# Altium PCB GN-1876-HI3519AV100_V1.PCBDOC (part 1 of 6) (continued)
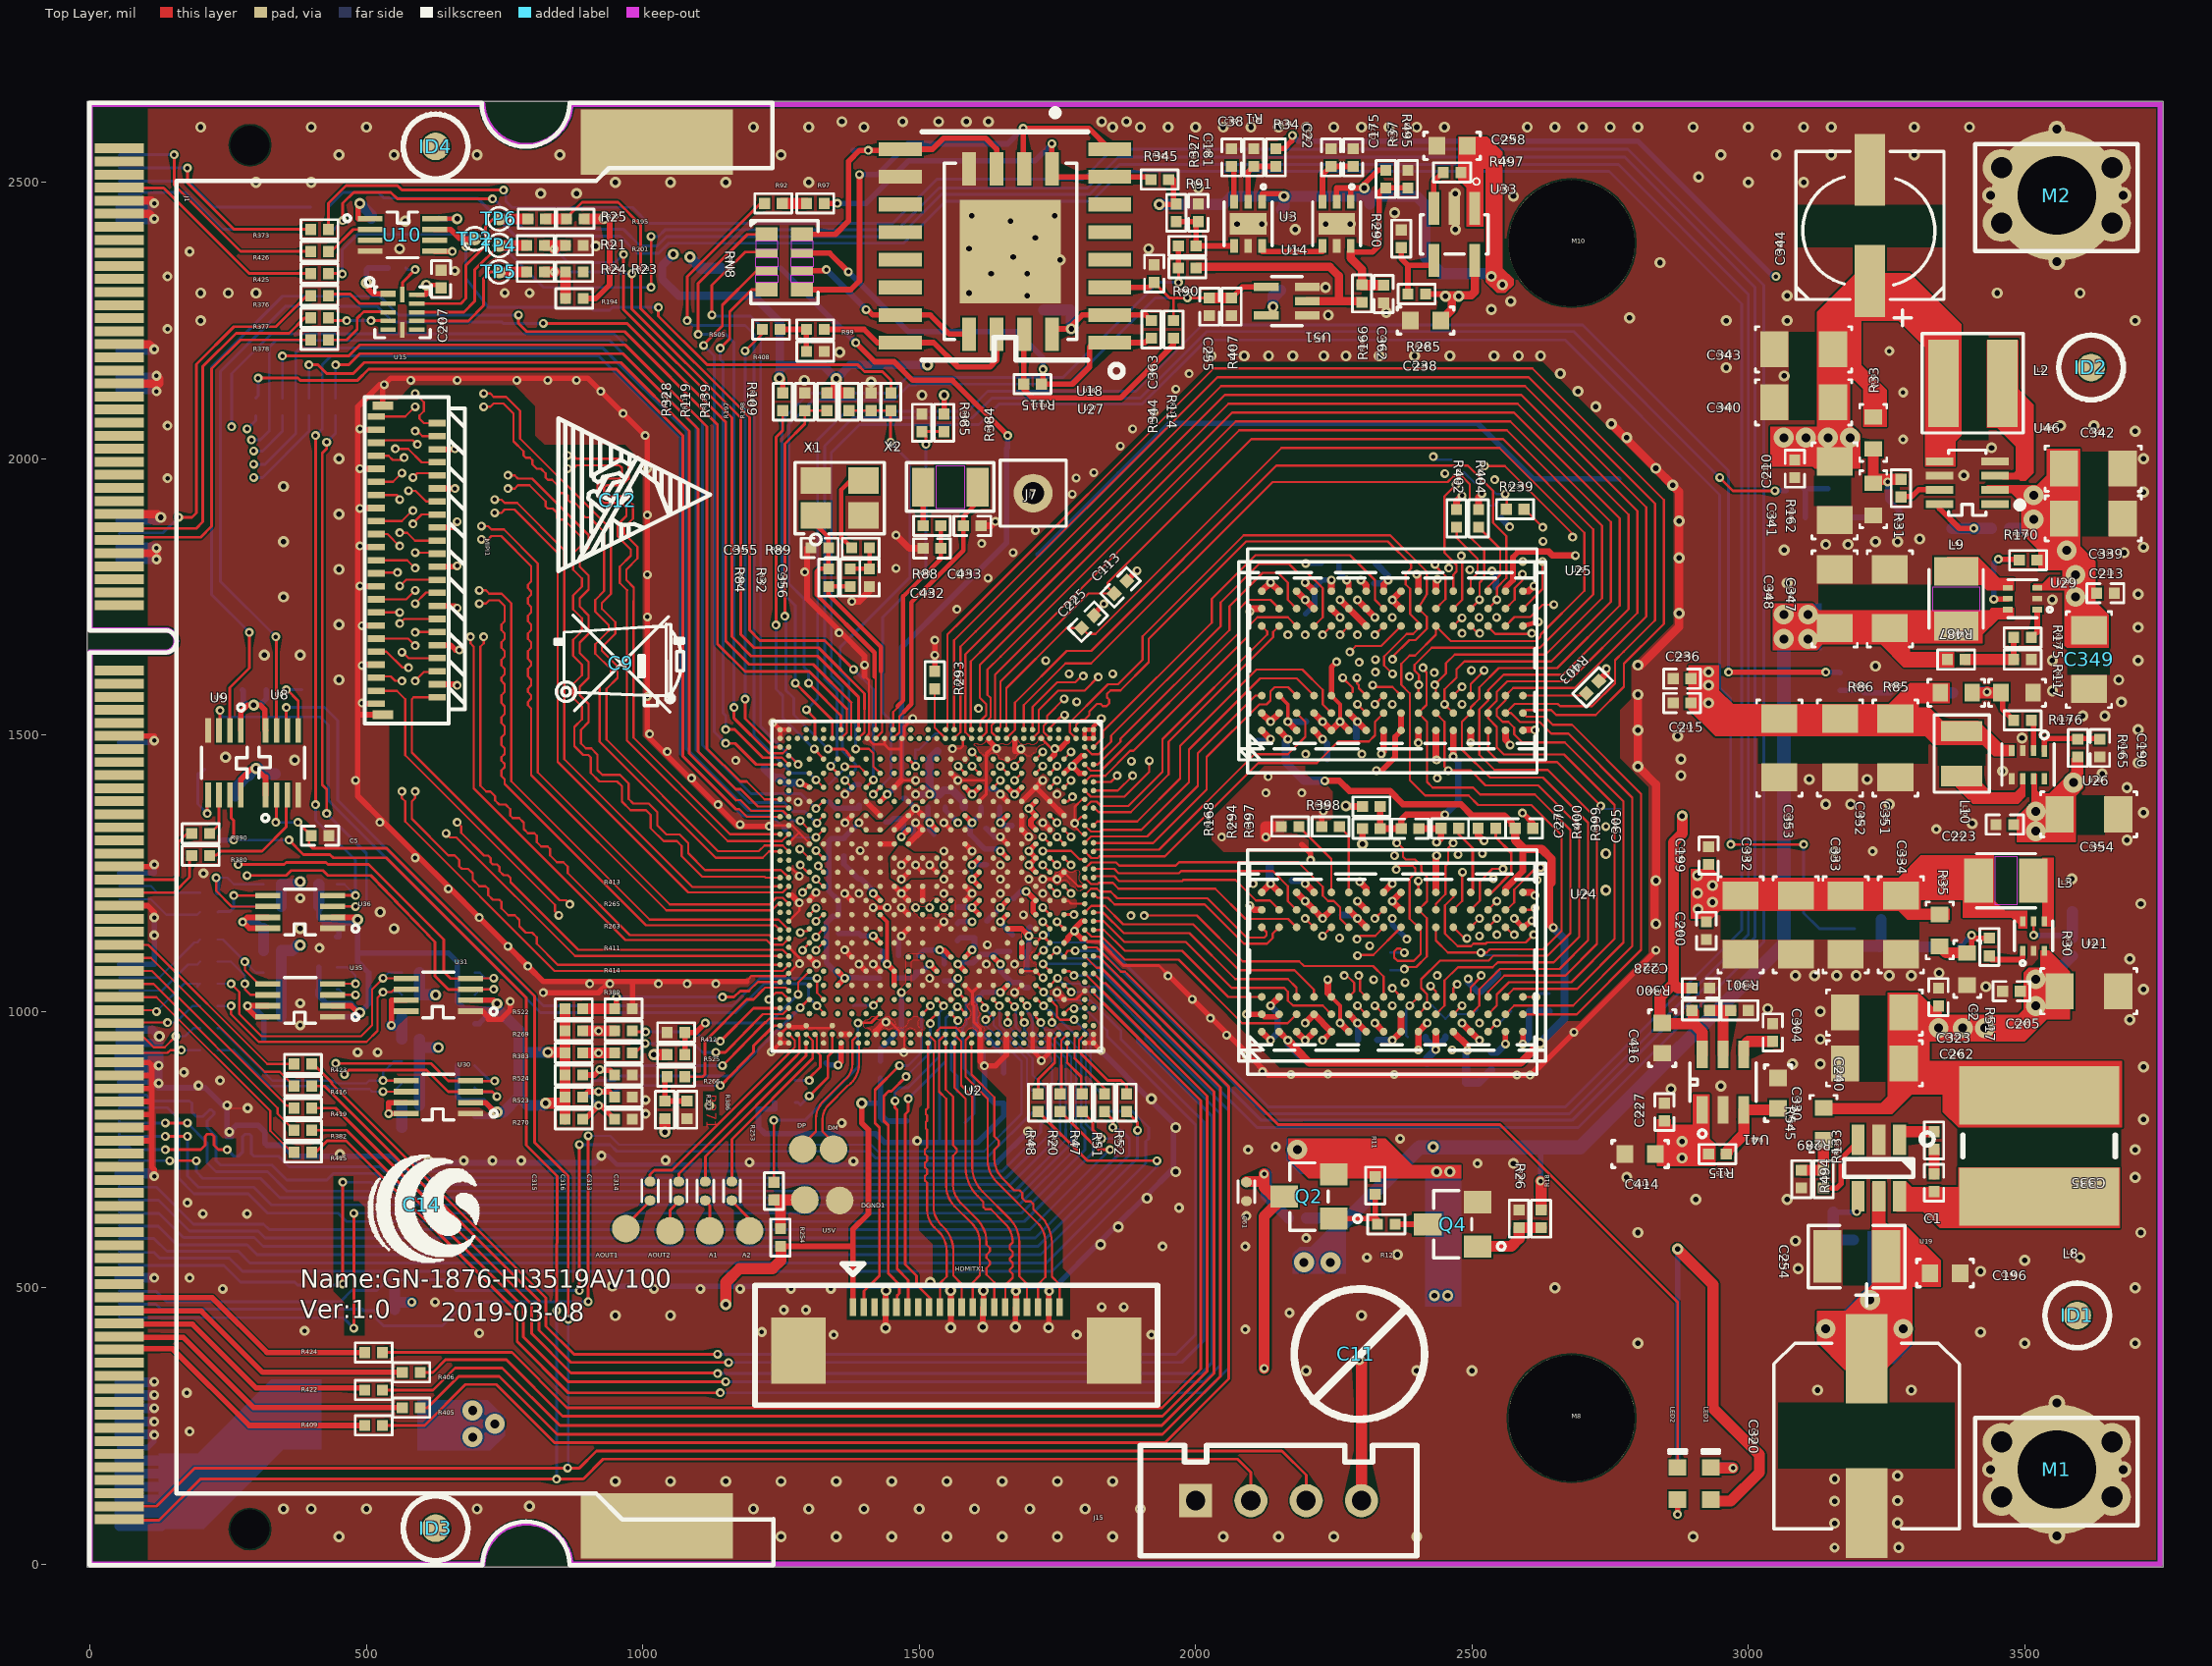
[diagram p0: Top Layer view]
## Components (designator, comment, footprint, x,y, rotation, side; value= is the part's Value field where it differs from the comment) (continued)
R416 "SR0402" SR0402 385,865.16 r180 top
R417 "SR0402" SR0402 215,970.16 r180 bottom
R418 "SR0402" SR0402 3192,1134.16 r270 bottom
R419 "SR0402" SR0402 385,825.16 r180 top
R420 "SR0402" SR0402 3084,1946.16 r0 bottom
R421 "SR0402" SR0402 3166,1596.76 r270 bottom
R422 "SR0402" SR0402 513,315.16 r180 top
R423 "SR0402" SR0402 385,905.16 r180 top
R424 "SR0402" SR0402 513,383.16 r180 top
R425 "SR0402" SR0402 415,2335.16 r180 top
R426 "SR0402" SR0402 415,2375.16 r180 top
R487 "SR0402" SR0402 3376,1636.76 r0 top
R488 "SR0402" SR0402 580,910.16 r180 bottom
R489 "SR0402" SR0402 580,870.16 r180 bottom
R490 "SR0402" SR0402 680,902.16 r0 bottom
R491 "SR0402" SR0402 680,862.16 r0 bottom
R492 "SR0402" SR0402 580,1070.16 r180 bottom
R493 "SR0402" SR0402 580,1030.16 r180 bottom
R494 "SR0402" SR0402 3096,696.76 r90 top
R495 "SR0402" SR0402 2384,2506.16 r90 top
R496 "SR0402" SR0402 3386,1576.76 r0 bottom
R497 "SR0402" SR0402 2464,2518.16 r180 top
R498 "SR0402" SR0402 680,1070.16 r0 bottom
R499 "SR0402" SR0402 680,1030.16 r0 bottom
R500 "SR0402" SR0402 330,1070.16 r180 bottom
R501 "SR0402" SR0402 330,1030.16 r180 bottom
R502 "SR0402" SR0402 430,1080.16 r0 bottom
R503 "SR0402" SR0402 430,1040.16 r0 bottom
R504 "SR0402" SR0402 330,1190.16 r180 bottom
R505 "SR0402" SR0402 1232,2234.16 r0 top
R506 "SR0402" SR0402 330,1230.16 r180 bottom
R507 "SR0402" SR0402 430,1230.16 r0 bottom
R508 "SR0402" SR0402 430,1190.16 r0 bottom
R517 "SR0603" SR0603 3396,1076.76 r270 top
R522 "SR0402" SR0402 875,1005.16 r0 top
R523 "SR0402" SR0402 875,845.16 r0 top
R524 "SR0402" SR0402 875,885.16 r0 top
R525 "SR0402" SR0402 1060,922.16 r0 top
R545 "SR0603" SR0603 3136,796.76 r90 top
R547 "SR0402" SR0402 3136,586.76 r180 bottom
RN8 "SRN8-1608" SRN8-1608 1256,2356.16 r270 top
TP2 "TP24-SMD" TP24-SMD 696,2398.16 r0 top
TP4 "TP24-SMD" TP24-SMD 740,2386.16 r0 top
TP5 "TP24-SMD" TP24-SMD 740,2338.16 r0 top
TP6 "TP24-SMD" TP24-SMD 740,2434.16 r0 top
U2 "HBGA567-16-3737" HBGA567-16-3737 1531.69,1226.5 r180 top
U3 "WDFN6-0R65-2X2-H1R6X1R00" WDFN6-0R65-2X2-H1R6X1R00 2095,2425.16 r180 top
U5V "PAD" PAD 1293,659.16 r0 top
U8 "SOP8-20-91" SOP8-20-91 347,1450.16 r0 top
U9 "SOP8-20-91" SOP8-20-91 243,1450.16 r180 top
U10 "SOP8-20-91" SOP8-20-91 565,2405.16 r270 top
U14 "WDFN6-0R65-2X2-H1R6X1R00" WDFN6-0R65-2X2-H1R6X1R00 2255,2425.16 r180 top
U15 "MLF12A-040-0202L" MLF12A-040-0202L 565,2265.16 r270 top
U18 "WSON8-MX25L12835ZN" WSON8-MX25L12835ZN 1665,2375.16 r180 top
U19 "SOT23-6" SOT23-6 3236,716.76 r180 top
U21 "HSOT-563" HSOT-563 3516,1136.76 r0 top
U24 "BGA96-32-1609N-BVT" BGA96-32-1609N-BVT 2355.88,1089.52 r0 top
U25 "BGA96-32-1609N-BVT" BGA96-32-1609N-BVT 2355.88,1634.52 r0 top
U26 "MLF8M-050-0202L" MLF8M-050-0202L 3506,1446.76 r180 top
U27 "SOP16-50-300A" SOP16-50-300A 1655,2385.16 r90 top
U29 "HSOT-563" HSOT-563 3496,1746.76 r90 top
U30 "SOP8-20-91" SOP8-20-91 630,845.16 r90 top
U31 "SOP8-20-91" SOP8-20-91 630,1030.16 r90 top
U33 "SOT23-5-STB" SOT23-5-STB 2468,2406.16 r180 top
U35 "SOP8-20-91" SOP8-20-91 380,1020.16 r90 top
U36 "SOP8-20-91" SOP8-20-91 380,1180.16 r90 top
U41 "SOT23-6B" SOT23-6B 2954,872.16 r0 top
U46 "TSOT23-8" TSOT23-8 3396,1956.76 r90 top
U51 "HSOT-SC70-DCK" HSOT-SC70-DCK 2165,2285.16 r90 top
X1 "HSX4-0302" HSX4-0302 1356,1928.9 r0 top
X2 "HSX2-0302" HSX2-0302 1556,1948.9 r180 top

## Footprints (in the part's own frame and the unit in brackets; to place one, negate y for a bottom-side part, rotate by r counter-clockwise, add the part's x,y. Pads: shape width x height; smd on the part's side, far side on the other; paste and mask are expansions set on the pad)
4PIN-254 [mil]
  rect 60x60 hole 35: 1(0,0)
  round 60 hole 35: 2(100,0) 3(200,0) 4(300,0)
  silkscreen extent -100,-100 400,100
1812 [mil]
  rect 60x125 smd: 1(-92.5,0) 2(92.5,0)
  silkscreen extent -143,-82 143,82
BGA96-32-1609N-BVT [mil]
  round 14 smd mask+3: A1(-236.22,-125.98) A2(-236.22,-94.49) A3(-236.22,-62.99) A7(-236.22,62.99) A8(-236.22,94.49) A9(-236.22,125.98) B1(-204.72,-125.98) B2(-204.72,-94.49) B3(-204.72,-62.99) B7(-204.72,62.99) B8(-204.72,94.49) B9(-204.72,125.98) C1(-173.23,-125.98) C2(-173.23,-94.49) C3(-173.23,-62.99) C7(-173.23,62.99) C8(-173.23,94.49) C9(-173.23,125.98) D1(-141.73,-125.98) D2(-141.73,-94.49) D3(-141.73,-62.99) D7(-141.73,62.99) D8(-141.73,94.49) D9(-141.73,125.98) E1(-110.24,-125.98) E2(-110.24,-94.49) E3(-110.24,-62.99) E7(-110.24,62.99) E8(-110.24,94.49) E9(-110.24,125.98) F1(-78.74,-125.98) F2(-78.74,-94.49) F3(-78.74,-62.99) F7(-78.74,62.99) F8(-78.74,94.49) F9(-78.74,125.98) G1(-47.24,-125.98) G2(-47.24,-94.49) G3(-47.24,-62.99) G7(-47.24,62.99) G8(-47.24,94.49) G9(-47.24,125.98) H1(-15.75,-125.98) H2(-15.75,-94.49) H3(-15.75,-62.99) H7(-15.75,62.99) H8(-15.75,94.49) H9(-15.75,125.98) J1(15.75,-125.98) J2(15.75,-94.49) J3(15.75,-62.99) J7(15.75,62.99) J8(15.75,94.49) J9(15.75,125.98) K1(47.24,-125.98) K2(47.24,-94.49) K3(47.24,-62.99) K7(47.24,62.99) K8(47.24,94.49) K9(47.24,125.98) L1(78.74,-125.98) L2(78.74,-94.49) L3(78.74,-62.99) L7(78.74,62.99) L8(78.74,94.49) L9(78.74,125.98) M1(110.24,-125.98) M2(110.24,-94.49) M3(110.24,-62.99) M7(110.24,62.99) M8(110.24,94.49) M9(110.24,125.98) N1(141.73,-125.98) N2(141.73,-94.49) N3(141.73,-62.99) N7(141.73,62.99) N8(141.73,94.49) N9(141.73,125.98) P1(173.23,-125.98) P2(173.23,-94.49) P3(173.23,-62.99) P7(173.23,62.99) P8(173.23,94.49) P9(173.23,125.98) R1(204.72,-125.98) R2(204.72,-94.49) R3(204.72,-62.99) R7(204.72,62.99) R8(204.72,94.49) R9(204.72,125.98) T1(236.22,-125.98) T2(236.22,-94.49) T3(236.22,-62.99) T7(236.22,62.99) T8(236.22,94.49) T9(236.22,125.98)
  silkscreen extent -278,-203 278,203
DDR3SODI_MBH2S6 [mm]
  rect 0.45x2.25 smd: 1(0,0) 3(0.6,0) 5(1.2,0) 7(1.8,0) 9(2.4,0) 11(3,0) 13(3.6,0) 15(4.2,0) 17(4.8,0) 19(5.4,0) 21(6,0) 23(6.6,0) 25(7.2,0) 27(7.8,0) 29(8.4,0) 31(9,0) 33(9.6,0) 35(10.2,0) 37(10.8,0) 39(11.4,0) 41(12,0) 43(12.6,0) 45(13.2,0) 47(13.8,0) 49(14.4,0) 51(15,0) 53(15.6,0) 55(16.2,0) 57(16.8,0) 59(17.4,0) 61(18,0) 63(18.6,0) 65(19.2,0) 67(19.8,0) 69(20.4,0) 71(21,0) 73(24,0) 75(24.6,0) 77(25.2,0) 79(25.8,0) 81(26.4,0) 83(27,0) 85(27.6,0) 87(28.2,0) 89(28.8,0) 91(29.4,0) 93(30,0) 95(30.6,0) 97(31.2,0) 99(31.8,0) 101(32.4,0) 103(33,0) 105(33.6,0) 107(34.2,0) 109(34.8,0) 111(35.4,0) 113(36,0) 115(36.6,0) 117(37.2,0) 119(37.8,0) 121(38.4,0) 123(39,0) 125(39.6,0) 127(40.2,0) 129(40.8,0) 131(41.4,0) 133(42,0) 135(42.6,0) 137(43.2,0) 139(43.8,0) 141(44.4,0) 143(45,0) 145(45.6,0) 147(46.2,0) 149(46.8,0) 151(47.4,0) 153(48,0) 155(48.6,0) 157(49.2,0) 159(49.8,0) 161(50.4,0) 163(51,0) 165(51.6,0) 167(52.2,0) 169(52.8,0) 171(53.4,0) 173(54,0) 175(54.6,0) 177(55.2,0) 179(55.8,0) 181(56.4,0) 183(57,0) 185(57.6,0) 187(58.2,0) 189(58.8,0) 191(59.4,0) 193(60,0) 195(60.6,0) 197(61.2,0) 199(61.8,0) 201(62.4,0) 203(63,0)
  rect 0.45x2.25 smd far side: 2(0.3,0) 4(0.9,0) 6(1.5,0) 8(2.1,0) 10(2.7,0) 12(3.3,0) 14(3.9,0) 16(4.5,0) 18(5.1,0) 20(5.7,0) 22(6.3,0) 24(6.9,0) 26(7.5,0) 28(8.1,0) 30(8.7,0) 32(9.3,0) 34(9.9,0) 36(10.5,0) 38(11.1,0) 40(11.7,0) 42(12.3,0) 44(12.9,0) 46(13.5,0) 48(14.1,0) 50(14.7,0) 52(15.3,0) 54(15.9,0) 56(16.5,0) 58(17.1,0) 60(17.7,0) 62(18.3,0) 64(18.9,0) 66(19.5,0) 68(20.1,0) 70(20.7,0) 72(21.3,0) 74(24.3,0) 76(24.9,0) 78(25.5,0) 80(26.1,0) 82(26.7,0) 84(27.3,0) 86(27.9,0) 88(28.5,0) 90(29.1,0) 92(29.7,0) 94(30.3,0) 96(30.9,0) 98(31.5,0) 100(32.1,0) 102(32.7,0) 104(33.3,0) 106(33.9,0) 108(34.5,0) 110(35.1,0) 112(35.7,0) 114(36.3,0) 116(36.9,0) 118(37.5,0) 120(38.1,0) 122(38.7,0) 124(39.3,0) 126(39.9,0) 128(40.5,0) 130(41.1,0) 132(41.7,0) 134(42.3,0) 136(42.9,0) 138(43.5,0) 140(44.1,0) 142(44.7,0) 144(45.3,0) 146(45.9,0) 148(46.5,0) 150(47.1,0) 152(47.7,0) 154(48.3,0) 156(48.9,0) 158(49.5,0) 160(50.1,0) 162(50.7,0) 164(51.3,0) 166(51.9,0) 168(52.5,0) 170(53.1,0) 172(53.7,0) 174(54.3,0) 176(54.9,0) 178(55.5,0) 180(56.1,0) 182(56.7,0) 184(57.3,0) 186(57.9,0) 188(58.5,0) 190(59.1,0) 192(59.7,0) 194(60.3,0) 196(60.9,0) 198(61.5,0) 200(62.1,0) 202(62.7,0) 204(63.3,0)
  round 0 hole 1.8 unplated: 205(-0.15,6) 206(63.45,6)
  rect 3x7 smd: 207(-0.3,24.7) 208(63.3,24.7)
  silkscreen extent -2.1,-1.37 65.1,30.05
ESD_MINI [mil]
  silkscreen extent -148,-108 128,167
FPC20_05MM [mm]
  rect 0.3x0.8 smd: 1(0,0) 2(0.5,0) 3(1,0) 4(1.5,0) 5(2,0) 6(2.5,0) 7(3,0) 8(3.5,0) 9(4,0) 10(4.5,0) 11(5,0) 12(5.5,0) 13(6,0) 14(6.5,0) 15(7,0) 16(7.5,0) 17(8,0) 18(8.5,0) 19(9,0) 20(9.5,0)
  rect 2.5x3.05 smd: 21(-2.5,-2) 22(12,-2)
  silkscreen extent -4.5,-4.5 14,2
FPC803A045 [mm]
  rect 0.3x0.8 smd: 1(-6.6,1.4) 2(-6.3,-1.4) 3(-6,1.4) 4(-5.7,-1.4) 5(-5.4,1.4) 6(-5.1,-1.4) 7(-4.8,1.4) 8(-4.5,-1.4) 9(-4.2,1.4) 10(-3.9,-1.4) 11(-3.6,1.4) 12(-3.3,-1.4) 13(-3,1.4) 14(-2.7,-1.4) 15(-2.4,1.4) 16(-2.1,-1.4) 17(-1.8,1.4) 18(-1.5,-1.4) 19(-1.2,1.4) 20(-0.9,-1.4) 21(-0.6,1.4) 22(-0.3,-1.4) 23(0,1.4) 24(0.3,-1.4) 25(0.6,1.4) 26(0.9,-1.4) 27(1.2,1.4) 28(1.5,-1.4) 29(1.8,1.4) 30(2.1,-1.4) 31(2.4,1.4) 32(2.7,-1.4) 33(3,1.4) 34(3.3,-1.4) 35(3.6,1.4) 36(3.9,-1.4) 37(4.2,1.4) 38(4.5,-1.4) 39(4.8,1.4) 40(5.1,-1.4) 41(5.4,1.4) 42(5.7,-1.4) 43(6,1.4) 44(6.3,-1.4) 45(6.6,1.4)
  rect 0.4x0.95 smd: 46(-7.1,1.1) 47(7.1,1.1)
  silkscreen extent -7.5,-2.67 7.5,1.93
GOSPELL_M [mil]
  silkscreen extent -97,-103 103,90
HBGA567-16-3737 [mil]
  round 10 smd paste-0.25 mask+1.5: 1A1(-230.31,-230.31) 1A2(-230.31,-204.72) 1A3(-230.31,-179.13) 1A4(-230.31,-153.54) 1A5(-230.31,-127.95) 1A6(-230.31,-102.36) 1A7(-230.31,-76.77) 1A8(-230.31,-51.18) 1A9(-230.31,-25.59) 1A10(-230.31,0) 1A11(-230.31,25.59) 1A12(-230.31,51.18) 1A13(-230.31,76.77) 1A14(-230.31,102.36) 1A15(-230.31,127.95) 1A16(-230.31,153.54) 1A17(-230.31,179.13) 1A18(-230.31,204.72) 1A19(-230.31,230.31) 1B1(-204.72,-230.31) 1B2(-204.72,-204.72) 1B3(-204.72,-179.13) 1B4(-204.72,-153.54) 1B5(-204.72,-127.95) 1B6(-204.72,-102.36) 1B7(-204.72,-76.77) 1B8(-204.72,-51.18) 1B9(-204.72,-25.59) 1B10(-204.72,0) 1B11(-204.72,25.59) 1B12(-204.72,51.18) 1B13(-204.72,76.77) 1B14(-204.72,102.36) 1B15(-204.72,127.95) 1B16(-204.72,153.54) 1B17(-204.72,179.13) 1B18(-204.72,204.72) 1B19(-204.72,230.31) 1C1(-179.13,-230.31) 1C2(-179.13,-204.72) 1C3(-179.13,-179.13) 1C4(-179.13,-153.54) 1C5(-179.13,-127.95) 1C6(-179.13,-102.36) 1C7(-179.13,-76.77) 1C8(-179.13,-51.18) 1C9(-179.13,-25.59) 1C10(-179.13,0) 1C11(-179.13,25.59) 1C12(-179.13,51.18) 1C13(-179.13,76.77) 1C14(-179.13,102.36) 1C15(-179.13,127.95) 1C16(-179.13,153.54) 1C17(-179.13,179.13) 1C18(-179.13,204.72) 1C19(-179.13,230.31) 1D1(-153.54,-230.31) 1D2(-153.54,-204.72) 1D3(-153.54,-179.13) 1D4(-153.54,-153.54) 1D5(-153.54,-127.95) 1D6(-153.54,-102.36) 1D7(-153.54,-76.77) 1D8(-153.54,-51.18) 1D9(-153.54,-25.59) 1D11(-153.54,25.59) 1D14(-153.54,102.36) 1D15(-153.54,127.95) 1D16(-153.54,153.54) 1D17(-153.54,179.13) 1D18(-153.54,204.72) 1D19(-153.54,230.31) 1E1(-127.95,-230.31) 1E2(-127.95,-204.72) 1E3(-127.95,-179.13) 1E4(-127.95,-153.54) 1E5(-127.95,-127.95) 1E6(-127.95,-102.36) 1E7(-127.95,-76.77) 1E8(-127.95,-51.18) 1E9(-127.95,-25.59) 1E10(-127.95,0) 1E11(-127.95,25.59) 1E12(-127.95,51.18) 1E13(-127.95,76.77) 1E14(-127.95,102.36) 1E15(-127.95,127.95) 1E16(-127.95,153.54) 1E17(-127.95,179.13) 1E18(-127.95,204.72) 1E19(-127.95,230.31) 1F1(-102.36,-230.31) 1F2(-102.36,-204.72) 1F3(-102.36,-179.13) 1F4(-102.36,-153.54) 1F5(-102.36,-127.95) 1F6(-102.36,-102.36) 1F8(-102.36,-51.18) 1F9(-102.36,-25.59) 1F11(-102.36,25.59) 1F12(-102.36,51.18) 1F13(-102.36,76.77) 1F15(-102.36,127.95) 1F16(-102.36,153.54) 1F17(-102.36,179.13) 1F18(-102.36,204.72) 1F19(-102.36,230.31) 1G1(-76.77,-230.31) 1G2(-76.77,-204.72) 1G3(-76.77,-179.13) 1G4(-76.77,-153.54) 1G5(-76.77,-127.95) 1G8(-76.77,-51.18) 1G9(-76.77,-25.59) 1G10(-76.77,0) 1G11(-76.77,25.59) 1G12(-76.77,51.18) 1G15(-76.77,127.95) 1G16(-76.77,153.54) 1G17(-76.77,179.13) 1G18(-76.77,204.72) 1H1(-51.18,-230.31) 1H2(-51.18,-204.72) 1H3(-51.18,-179.13) 1H4(-51.18,-153.54) 1H5(-51.18,-127.95) 1H6(-51.18,-102.36) 1H7(-51.18,-76.77) 1H8(-51.18,-51.18) 1H9(-51.18,-25.59) 1H10(-51.18,0) 1H11(-51.18,25.59) 1H12(-51.18,51.18) 1H13(-51.18,76.77) 1H15(-51.18,127.95) 1H16(-51.18,153.54) 1H17(-51.18,179.13) 1H18(-51.18,204.72) 1H19(-51.18,230.31) 1J1(-25.59,-230.31) 1J2(-25.59,-204.72) 1J3(-25.59,-179.13) 1J4(-25.59,-153.54) 1J5(-25.59,-127.95) 1J6(-25.59,-102.36) 1J8(-25.59,-51.18) 1J9(-25.59,-25.59) 1J10(-25.59,0) 1J11(-25.59,25.59) 1J12(-25.59,51.18) 1J13(-25.59,76.77) 1J15(-25.59,127.95) 1J16(-25.59,153.54) 1J17(-25.59,179.13) 1J18(-25.59,204.72) 1J19(-25.59,230.31) 1K1(0,-230.31) 1K2(0,-204.72) 1K3(0,-179.13) 1K4(0,-153.54) 1K5(0,-127.95) 1K6(0,-102.36) 1K8(0,-51.18) 1K9(0,-25.59) 1K10(0,0) 1K11(0,25.59) 1K12(0,51.18) 1K13(0,76.77) 1K16(0,153.54) 1K17(0,179.13) 1K18(0,204.72) 1K19(0,230.31) 1L1(25.59,-230.31) 1L2(25.59,-204.72) 1L3(25.59,-179.13) 1L4(25.59,-153.54) 1L5(25.59,-127.95) 1L6(25.59,-102.36) 1L8(25.59,-51.18) 1L9(25.59,-25.59) 1L10(25.59,0) 1L11(25.59,25.59) 1L12(25.59,51.18) 1L13(25.59,76.77) 1L14(25.59,102.36) 1L15(25.59,127.95) 1L16(25.59,153.54) 1L17(25.59,179.13) 1L18(25.59,204.72) 1L19(25.59,230.31) 1M1(51.18,-230.31) 1M2(51.18,-204.72) 1M3(51.18,-179.13) 1M4(51.18,-153.54) 1M5(51.18,-127.95) 1M6(51.18,-102.36) 1M7(51.18,-76.77) 1M8(51.18,-51.18) 1M9(51.18,-25.59) 1M10(51.18,0) 1M11(51.18,25.59) 1M12(51.18,51.18) 1M13(51.18,76.77) 1M14(51.18,102.36) 1M15(51.18,127.95) 1M16(51.18,153.54) 1M17(51.18,179.13) 1M18(51.18,204.72) 1M19(51.18,230.31) 1N1(76.77,-230.31) 1N2(76.77,-204.72) 1N3(76.77,-179.13) 1N4(76.77,-153.54) 1N6(76.77,-102.36) 1N7(76.77,-76.77) 1N8(76.77,-51.18) 1N9(76.77,-25.59) 1N10(76.77,0) 1N11(76.77,25.59) 1N12(76.77,51.18) 1N13(76.77,76.77) 1N14(76.77,102.36) 1N16(76.77,153.54) 1N17(76.77,179.13) 1N18(76.77,204.72) 1N19(76.77,230.31) 1P1(102.36,-230.31) 1P2(102.36,-204.72) 1P3(102.36,-179.13) 1P4(102.36,-153.54) 1P5(102.36,-127.95) 1P6(102.36,-102.36) 1P7(102.36,-76.77) 1P8(102.36,-51.18) 1P9(102.36,-25.59) 1P10(102.36,0) 1P11(102.36,25.59) 1P12(102.36,51.18) 1P13(102.36,76.77) 1P14(102.36,102.36) 1P15(102.36,127.95) 1P16(102.36,153.54) 1P17(102.36,179.13) 1P18(102.36,204.72) 1P19(102.36,230.31) 1R1(127.95,-230.31) 1R2(127.95,-204.72) 1R3(127.95,-179.13) 1R4(127.95,-153.54) 1R5(127.95,-127.95) 1R6(127.95,-102.36) 1R7(127.95,-76.77) 1R8(127.95,-51.18) 1R9(127.95,-25.59) 1R10(127.95,0) 1R11(127.95,25.59) 1R12(127.95,51.18) 1R13(127.95,76.77) 1R14(127.95,102.36) 1R15(127.95,127.95) 1R16(127.95,153.54) 1R17(127.95,179.13) 1R18(127.95,204.72) 1R19(127.95,230.31) 1T1(153.54,-230.31) 1T2(153.54,-204.72) 1T3(153.54,-179.13) 1T4(153.54,-153.54) 1T5(153.54,-127.95) 1T6(153.54,-102.36) 1T7(153.54,-76.77) 1T8(153.54,-51.18) 1T9(153.54,-25.59) 1T10(153.54,0) 1T11(153.54,25.59) 1T12(153.54,51.18) 1T13(153.54,76.77) 1T14(153.54,102.36) 1T15(153.54,127.95) 1T16(153.54,153.54) 1T17(153.54,179.13) 1T18(153.54,204.72) 1T19(153.54,230.31) 1U1(179.13,-230.31) 1U2(179.13,-204.72) 1U3(179.13,-179.13) 1U4(179.13,-153.54) 1U5(179.13,-127.95) 1U6(179.13,-102.36) 1U7(179.13,-76.77) 1U8(179.13,-51.18) 1U9(179.13,-25.59) 1U10(179.13,0) 1U11(179.13,25.59) 1U12(179.13,51.18) 1U13(179.13,76.77) 1U14(179.13,102.36) 1U15(179.13,127.95) 1U16(179.13,153.54) 1U17(179.13,179.13) 1U18(179.13,204.72) 1U19(179.13,230.31) 1V1(204.72,-230.31) 1V2(204.72,-204.72) 1V3(204.72,-179.13) 1V4(204.72,-153.54) 1V5(204.72,-127.95) 1V6(204.72,-102.36) 1V7(204.72,-76.77) 1V8(204.72,-51.18) 1V9(204.72,-25.59) 1V10(204.72,0) 1V11(204.72,25.59) 1V12(204.72,51.18) 1V13(204.72,76.77) 1V14(204.72,102.36) 1V15(204.72,127.95) 1V16(204.72,153.54) 1V17(204.72,179.13) 1V18(204.72,204.72) 1V19(204.72,230.31) 1W1(230.31,-230.31) 1W2(230.31,-204.72) 1W3(230.31,-179.13) 1W4(230.31,-153.54) 1W5(230.31,-127.95) 1W6(230.31,-102.36) 1W7(230.31,-76.77) 1W8(230.31,-51.18) 1W9(230.31,-25.59) 1W10(230.31,0) 1W11(230.31,25.59) 1W12(230.31,51.18) 1W13(230.31,76.77) 1W14(230.31,102.36) 1W15(230.31,127.95) 1W16(230.31,153.54) 1W17(230.31,179.13) 1W18(230.31,204.72) 1W19(230.31,230.31) A1(-283.46,-283.46) A2(-283.46,-267.72) A3(-283.46,-251.97) A5(-283.46,-220.47) A7(-283.46,-188.98) A8(-283.46,-173.23) A10(-283.46,-141.73) A12(-283.46,-110.24) A14(-283.46,-78.74) A15(-283.46,-62.99) A17(-283.46,-31.5) A18(-283.46,-15.75) A20(-283.46,15.75) A22(-283.46,47.24) A23(-283.46,62.99) A24(-283.46,78.74) A27(-283.46,125.98) A29(-283.46,157.48) A31(-283.46,188.98) A33(-283.46,220.47) A35(-283.46,251.97) A36(-283.46,267.72) A37(-283.46,283.46) AA2(31.5,-267.72) AA36(31.5,267.72) AB1(47.24,-283.46) AB2(47.24,-267.72) AB36(47.24,267.72) AB37(47.24,283.46) AC2(62.99,-267.72) AC36(62.99,267.72) AD1(78.74,-283.46) AD2(78.74,-267.72) AD36(78.74,267.72) AD37(78.74,283.46) AE2(94.49,-267.72) AE36(94.49,267.72) AE37(94.49,283.46) AF1(110.24,-283.46) AF2(110.24,-267.72) AF36(110.24,267.72) AG2(125.98,-267.72) AG36(125.98,267.72) AG37(125.98,283.46) AH1(141.73,-283.46) AH2(141.73,-267.72) AH36(141.73,267.72) AH37(141.73,283.46) AJ2(157.48,-267.72) AJ36(157.48,267.72) AK1(173.23,-283.46) AK2(173.23,-267.72) AK36(173.23,267.72) AK37(173.23,283.46) AL2(188.98,-267.72) AL35(188.98,251.97) AL36(188.98,267.72) AM1(204.72,-283.46) AM2(204.72,-267.72) AM36(204.72,267.72) AM37(204.72,283.46) AN2(220.47,-267.72) AN36(220.47,267.72) AP1(236.22,-283.46) AP2(236.22,-267.72) AP35(236.22,251.97) AP36(236.22,267.72) AP37(236.22,283.46) AR2(251.97,-267.72) AR36(251.97,267.72) AT1(267.72,-283.46) AT2(267.72,-267.72) AT3(267.72,-251.97) AT4(267.72,-236.22) AT5(267.72,-220.47) AT6(267.72,-204.72) AT7(267.72,-188.98) AT8(267.72,-173.23) AT9(267.72,-157.48) AT10(267.72,-141.73) AT11(267.72,-125.98) AT12(267.72,-110.24) AT13(267.72,-94.49) AT14(267.72,-78.74) AT15(267.72,-62.99) AT16(267.72,-47.24) AT17(267.72,-31.5) AT18(267.72,-15.75) AT19(267.72,0) AT20(267.72,15.75) AT21(267.72,31.5) AT22(267.72,47.24) AT23(267.72,62.99) AT24(267.72,78.74) AT25(267.72,94.49) AT26(267.72,110.24) AT27(267.72,125.98) AT28(267.72,141.73) AT29(267.72,157.48) AT30(267.72,173.23) AT31(267.72,188.98) AT32(267.72,204.72) AT33(267.72,220.47) AT34(267.72,236.22) AT35(267.72,251.97) AT36(267.72,267.72) AT37(267.72,283.46) AU1(283.46,-283.46) AU2(283.46,-267.72) AU3(283.46,-251.97) AU5(283.46,-220.47) AU7(283.46,-188.98) AU9(283.46,-157.48) AU11(283.46,-125.98) AU13(283.46,-94.49) AU15(283.46,-62.99) AU16(283.46,-47.24) AU18(283.46,-15.75) AU19(283.46,0) AU21(283.46,31.5) AU22(283.46,47.24) AU24(283.46,78.74) AU25(283.46,94.49) AU27(283.46,125.98) AU28(283.46,141.73) AU30(283.46,173.23) AU32(283.46,204.72) AU33(283.46,220.47) AU35(283.46,251.97) AU36(283.46,267.72) AU37(283.46,283.46) B1(-267.72,-283.46) B2(-267.72,-267.72) B3(-267.72,-251.97) B4(-267.72,-236.22) B5(-267.72,-220.47) B6(-267.72,-204.72) B7(-267.72,-188.98) B8(-267.72,-173.23) B9(-267.72,-157.48) B10(-267.72,-141.73) B11(-267.72,-125.98) B12(-267.72,-110.24) B13(-267.72,-94.49) B14(-267.72,-78.74) B15(-267.72,-62.99) B16(-267.72,-47.24) B17(-267.72,-31.5) B18(-267.72,-15.75) B19(-267.72,0) B20(-267.72,15.75) B21(-267.72,31.5) B22(-267.72,47.24) B23(-267.72,62.99) B24(-267.72,78.74) B25(-267.72,94.49) B26(-267.72,110.24) B27(-267.72,125.98) B28(-267.72,141.73) B29(-267.72,157.48) B30(-267.72,173.23) B31(-267.72,188.98) B32(-267.72,204.72) B33(-267.72,220.47) B34(-267.72,236.22) B35(-267.72,251.97) B36(-267.72,267.72) B37(-267.72,283.46) C1(-251.97,-283.46) C2(-251.97,-267.72) C36(-251.97,267.72) D2(-236.22,-267.72) D36(-236.22,267.72) D37(-236.22,283.46) E1(-220.47,-283.46) E2(-220.47,-267.72) E36(-220.47,267.72) F1(-204.72,-283.46) F2(-204.72,-267.72) F36(-204.72,267.72) G2(-188.98,-267.72) G36(-188.98,267.72) G37(-188.98,283.46) H1(-173.23,-283.46) H2(-173.23,-267.72) H36(-173.23,267.72) J1(-157.48,-283.46) J2(-157.48,-267.72) J36(-157.48,267.72) J37(-157.48,283.46) K2(-141.73,-267.72) K36(-141.73,267.72) K37(-141.73,283.46) L1(-125.98,-283.46) L2(-125.98,-267.72) L36(-125.98,267.72) M1(-110.24,-283.46) M2(-110.24,-267.72) M36(-110.24,267.72) M37(-110.24,283.46) N2(-94.49,-267.72) N36(-94.49,267.72) N37(-94.49,283.46) P1(-78.74,-283.46) P2(-78.74,-267.72) P36(-78.74,267.72) R1(-62.99,-283.46) R2(-62.99,-267.72) R36(-62.99,267.72) R37(-62.99,283.46) T2(-47.24,-267.72) T36(-47.24,267.72) U1(-31.5,-283.46) U2(-31.5,-267.72) U36(-31.5,267.72) U37(-31.5,283.46) V1(-15.75,-283.46) V2(-15.75,-267.72) V36(-15.75,267.72) V37(-15.75,283.46) W2(0,-267.72) W36(0,267.72) Y1(15.75,-283.46) Y2(15.75,-267.72) Y36(15.75,267.72) Y37(15.75,283.46)
  silkscreen extent -298,-298 298,298
HEAD0101-T-B [mil]
  round 70 hole 40 mask+5: 1(0,0)
  silkscreen extent -60,-60 60,60
HOLE160-8STARAN [mil]
  round 30 hole 16: 1(120,0) 3(0,120) 5(-120,0) 7(0,-120)
  round 68 hole 38: 2(100,50) 4(-100,50) 6(-100,-50) 8(100,-50)
  round 236.22 hole 141.73: 9(0,0)
  silkscreen extent -148,-101 146,93
HSC0402 [mil]
  rect 20x20 smd paste-10 mask+3: 1(-16,0) 2(16,0)
  silkscreen extent -34,-18 34,18
HSD0603-LED [mil]
  rect 30x32 smd mask+4: 1(-29,0) 2(29,0)
  silkscreen extent 55,-16 61,16
HSL1008 [mil]
  rect 37x75 smd paste-37.5 mask+3: 1(-40.5,0) 2(40.5,0)
  Top Layer pour cut-out: -21.78,43.31 -21.78,-43.31 21.83,-43.31 21.83,43.31 -21.78,43.31
  silkscreen extent -70,-50 70,50
HSOD323A [mil]
  rect 44x32 smd mask+3: 1(54,0) 2(-54,0)
  silkscreen extent -37,-29 97,29
HSOT-563 [mil]
  rect 10x18 smd mask+3: 1(-19.69,-26.57) 2(0,-26.57) 3(19.69,-26.57) 4(19.69,26.57) 5(0,26.57) 6(-19.69,26.57)
  silkscreen extent -34,-54 34,27
HSOT-SC70-DCK [mil]
  rect 15x45 smd mask+3: 1(-25.59,-37) 2(0,-37) 3(25.59,-37) 4(25.59,37) 5(-25.59,37)
  silkscreen extent -44,-28 44,28
HSX2-0302 [mil]
  rect 40x70 smd mask+3: 1(-49.21,0) 2(49.21,0)
  Top Layer keep-out region: -26.21,38 -26.21,-38 26.21,-38 26.21,38 -26.21,38
  silkscreen extent -79,-44 79,44
HSX4-0302 [mil]
  rect 55x48 smd mask+3: 1(-43.31,-31.5) 2(43.31,-31.5) 3(43.31,31.5) 4(-43.31,31.5)
  silkscreen extent -81,-85 81,65
MLF8M-050-0202L [mil]
  rect 10x22 smd mask+3: 1(-29.53,-24.53)
  rect 10x20 smd mask+3: 2(-9.84,-25.53) 3(9.84,-25.53) 4(29.53,-25.53) 5(29.53,25.53) 6(9.84,25.53) 7(-9.84,25.53) 8(-29.53,25.53)
  silkscreen extent -47,-61 47,38
MLF12A-040-0202L [mil]
  rect 12x28 smd: 1(-33.5,-26)
  rect 8x28 smd: 2(-15.75,-26) 3(0,-26) 4(15.75,-26) 5(31.5,-26) 7(31.5,26) 8(15.75,26) 9(0,26) 10(-15.75,26) 11(-31.5,26)
  rect 28x8 smd: 6(32,0) 12(-32,0)
  silkscreen extent -63,-67 46,50
PAD [mil]
  round 50 smd: 1(0,0)
PAD_NC [mil]
  round 50 smd: 1(0,0)
  silkscreen extent -59,-59 59,59
PB [mil]
  silkscreen extent -111,-118 124,118
RECV [mil]
  silkscreen extent -87,-120 88,114
SAC6666 [mil]
  rect 130x55 smd paste-65 mask+3: 1(-100.43,0) 2(100.43,0)
  silkscreen extent -181,-134 134,134
SC0402 [mil]
  rect 20x20 smd paste-10 mask+3: 1(-16,0) 2(16,0)
  silkscreen extent -34,-18 34,18
SC0402_BGA1 [mil]
  oval 18x20 smd mask+1.5: 1(-17,0) 2(17,0)
  silkscreen extent -20,-15 20,15
SC0603 [mil]
  rect 30x32 smd mask+3: 1(-27.5,0) 2(27.5,0)
  silkscreen extent -51,-25 51,25
SC0805 [mil]
  rect 39x50 smd mask+3: 1(-32,0) 2(32,0)
  silkscreen extent -60,-34 60,34
SC1206 [mil]
  rect 51x65 smd mask+3: 1(-53,0) 2(53,0)
  silkscreen extent -87,-41 87,41
SC1210B [mil]
  rect 51x95 smd mask+3: 1(-53,0) 2(53,0)
  silkscreen extent -88,-57 88,57
SCAPC2-280-327 [mil]
  rect 162x75 smd paste-81 mask+3: 1(-139.76,0) 2(139.76,0)
  silkscreen extent -275,-168 168,168
SL0402 [mil]
  rect 19x20 smd paste-10 mask+3: 1(-15.5,0) 2(15.5,0)
  silkscreen extent -32,-18 32,18
SL1008H [mil]
  rect 52x80 smd mask+3: 1(-49.62,0) 2(49.62,0)
  Top Layer pour cut-out: -20.62,-43.31 -20.62,43.31 20.62,43.31 20.62,-43.31 -20.62,-43.31
  Top Layer keep-out region: -20.62,43.31 -20.62,-43.31 20.62,-43.31 20.62,43.31 -20.62,43.31
  silkscreen extent -53,-49 53,49
SL2828 [mil]
  rect 290x105 smd mask+3: 1(0,-91.54) 2(0,91.54)
  Top Layer pour cut-out: -148,36 148,36 148,-36 -148,-36 -148,36
  silkscreen extent -138,-20 138,20
SOP8-20-91 [mil]
  rect 10x45 smd mask+3: 1(-29.53,-58.41) 2(-9.84,-58.41) 3(9.84,-58.41) 4(29.53,-58.41) 5(29.53,58.41) 6(9.84,58.41) 7(-9.84,58.41) 8(-29.53,58.41)
  silkscreen extent -41,-106 41,28
SOP16-50-300A [mil]
  rect 25x78 smd mask+3: 1(-175,-189.47) 2(-125,-189.47) 3(-75,-189.47) 4(-25,-189.47) 5(25,-189.47) 6(75,-189.47) 7(125,-189.47) 8(175,-189.47) 9(175,189.47) 10(125,189.47) 11(75,189.47) 12(25,189.47) 13(-25,189.47) 14(-75,189.47) 15(-125,189.47) 16(-175,189.47)
  silkscreen extent -238,-214 207,150
SOT23 [mil]
  rect 40x50 smd mask+3: 1(-40,-45) 2(40,-45) 3(0,45)
  silkscreen extent -61,-95 61,34
SOT23-5-STB [mil]
  rect 20x60 smd mask+2: 1(-37,-47) 2(0,-47) 3(37,-47) 4(37,47) 5(-37,47)
  silkscreen extent -61,-102 61,36
SOT23-6 [mm]
  rect 0.6x1.4 smd: 1(-0.95,-1.3) 2(0,-1.3) 3(0.95,-1.3) 4(0.95,1.3) 5(0,1.3) 6(-0.95,1.3)
  silkscreen extent -2.52,-1.64 1.59,0.4
SOT23-6B [mil]
  rect 20x50 smd mask+5: 1(-37.4,-50.2) 2(0,-50.2) 3(37.4,-50.2) 4(37.4,50.2) 5(0,50.2) 6(-37.4,50.2)
  silkscreen extent -60,-100 60,34
SPL0404B [mil]
  rect 55x158 smd mask+3: 1(-53.23,0) 2(53.23,0)
  silkscreen extent -92,-90 92,90
SR0402 [mil]
  rect 20x20 smd paste-10 mask+3: 1(-16,0) 2(16,0)
  silkscreen extent -34,-18 34,18
SR0603 [mil]
  rect 28x32 smd mask+3: 1(-29,0) 2(29,0)
  silkscreen extent -52,-24 52,24
SRN8-1608 [mil]
  rect 25x40 smd mask+5: 1(-50,-32) 4(50,-32) 5(50,32) 8(-50,32)
  rect 15x40 smd mask+3: 2(-16,-32) 3(16,-32) 6(16,32) 7(-16,32)
  Top Layer keep-out region: -37.5,-12 -37.5,-52 -23.5,-52 -23.5,-12 -37.5,-12
  Top Layer keep-out region: -8.5,-12 8.5,-12 8.5,-52 -8.5,-52 -8.5,-12
  Top Layer keep-out region: 23.5,-12 37.5,-12 37.5,-52 23.5,-52 23.5,-12
  Top Layer keep-out region: -37.5,52 -37.5,12 -23.5,12 -23.5,52 -37.5,52
  Top Layer keep-out region: 23.5,52 37.5,52 37.5,12 23.5,12 23.5,52
  Top Layer keep-out region: -8.5,52 8.5,52 8.5,12 -8.5,12 -8.5,52
  silkscreen extent -75,-61 75,61
TP24-SMD [mil]
  round 24 smd mask+3: 1(0,0)
  silkscreen extent -21,-21 21,21
TSOT23-8 [mil]
  rect 14x50 smd mask+3: 1(-38.39,-50.2) 2(-12.8,-50.2) 3(12.8,-50.2) 4(38.39,-50.2) 5(38.39,50.2) 6(12.8,50.2) 7(-12.8,50.2) 8(-38.39,50.2)
  silkscreen extent -59,-101 59,33
VIAAAAA [mm]
  round 5.8 hole 5.8 unplated: 1(0,0)
VIAAAAB [mm]
  round 5.8 hole 5.8 unplated: 1(0,0)
WDFN6-0R65-2X2-H1R6X1R00 [mil]
  rect 14x25 smd mask+2: 1(-25.59,-40.06) 2(0,-40.06) 3(25.59,-40.06) 4(25.59,40.06) 5(0,40.06) 6(-25.59,40.06)
  rect 66x39 smd mask+2: 7(0,0)
  silkscreen extent -43,-71 43,39
WSON8-MX25L12835ZN [mil]
  rect 25x60 smd mask+5: 1(-75,-149.61) 2(-25,-149.61) 3(25,-149.61) 4(75,-149.61) 5(75,149.61) 6(25,149.61) 7(-25,149.61) 8(-75,149.61)
  rect 183x187 smd mask+3: 9(0,0)
  silkscreen extent -120,-257 120,159

## Via types
v1: diameter 16, hole 8, Top Layer to Bottom Layer, 733 vias
v2: diameter 20, hole 10, Top Layer to Bottom Layer, 362 vias
v3: diameter 18, hole 8, Top Layer to Bottom Layer, 100 vias
v4: diameter 36, hole 16, Top Layer to Bottom Layer, 30 vias

## Nets (pads, with @x,y where several pads share a name; then routed paths per layer and width w, separated by ;. In a path a pad name is that pad's centre, name@x,y a point inside that pad or via, vN(x,y) a via of type N, cw(c..) or ccw(c..) an arc to the next point about the centre after c; other vN are vias at no path point)
0V8_LDO: C238.1 LB42.1 LB47.1 LB54.1 R285.1 U33.5 | length 2284.5
  Top Layer w10: R285.1@2416,2298.16 2448,2298.16 2450,2296.16 v2(2452,2294.16)
  Top Layer w15: C238.1@2443.5,2250.16 2463.5,2270.16 2463.5,2296.16 ; v2@2450,2296.16 2463.5,2296.16 ; U33.5@2505,2359.16 2505,2302.16 2499,2296.16 2463.5,2296.16
  Mid-Layer 1 w10: v1(1570.08,1060.16) 1551,1079.24 1551,1100.16 1595.67,1144.83 v1(1595.67,1162.53) 1570.08,1188.12 v1(1570.08,1341.65)
  Mid-Layer 2 w12: v1(1570.08,1341.65) 1570.08,1383.08 1538,1415.16 1538,1493.16 1550,1505.16 1550,1742.16 1657,1849.16 1657,2007.16 1710,2060.16 1832,2060.16 1992,2220.16 2380,2220.16
  Mid-Layer 2 w15: 2380,2220.16 2452,2292.16 v2(2452,2294.16) v2(2476,2294.16)
  Bottom Layer w10: LB47.1@1545.1,1055.2 1565.12,1055.2 v1(1570.08,1060.16) ; LB54.1@1546.87,1369.29 1546.87,1364.72 v1(1570.08,1341.65) ; LB42.1@1568.9,1159.2 1572.23,1162.53 v1(1595.67,1162.53)